# KiCad board Scopetrex.kicad_pcb
title: SCOPETREX; note: Copyright (C) 2020 Eric Schlaepfer; note: License. See https://creativecommons.org/licenses/by-sa/4.0/; note: This work is licensed under a Creative Commons Attribution-ShareAlike 4.0 International
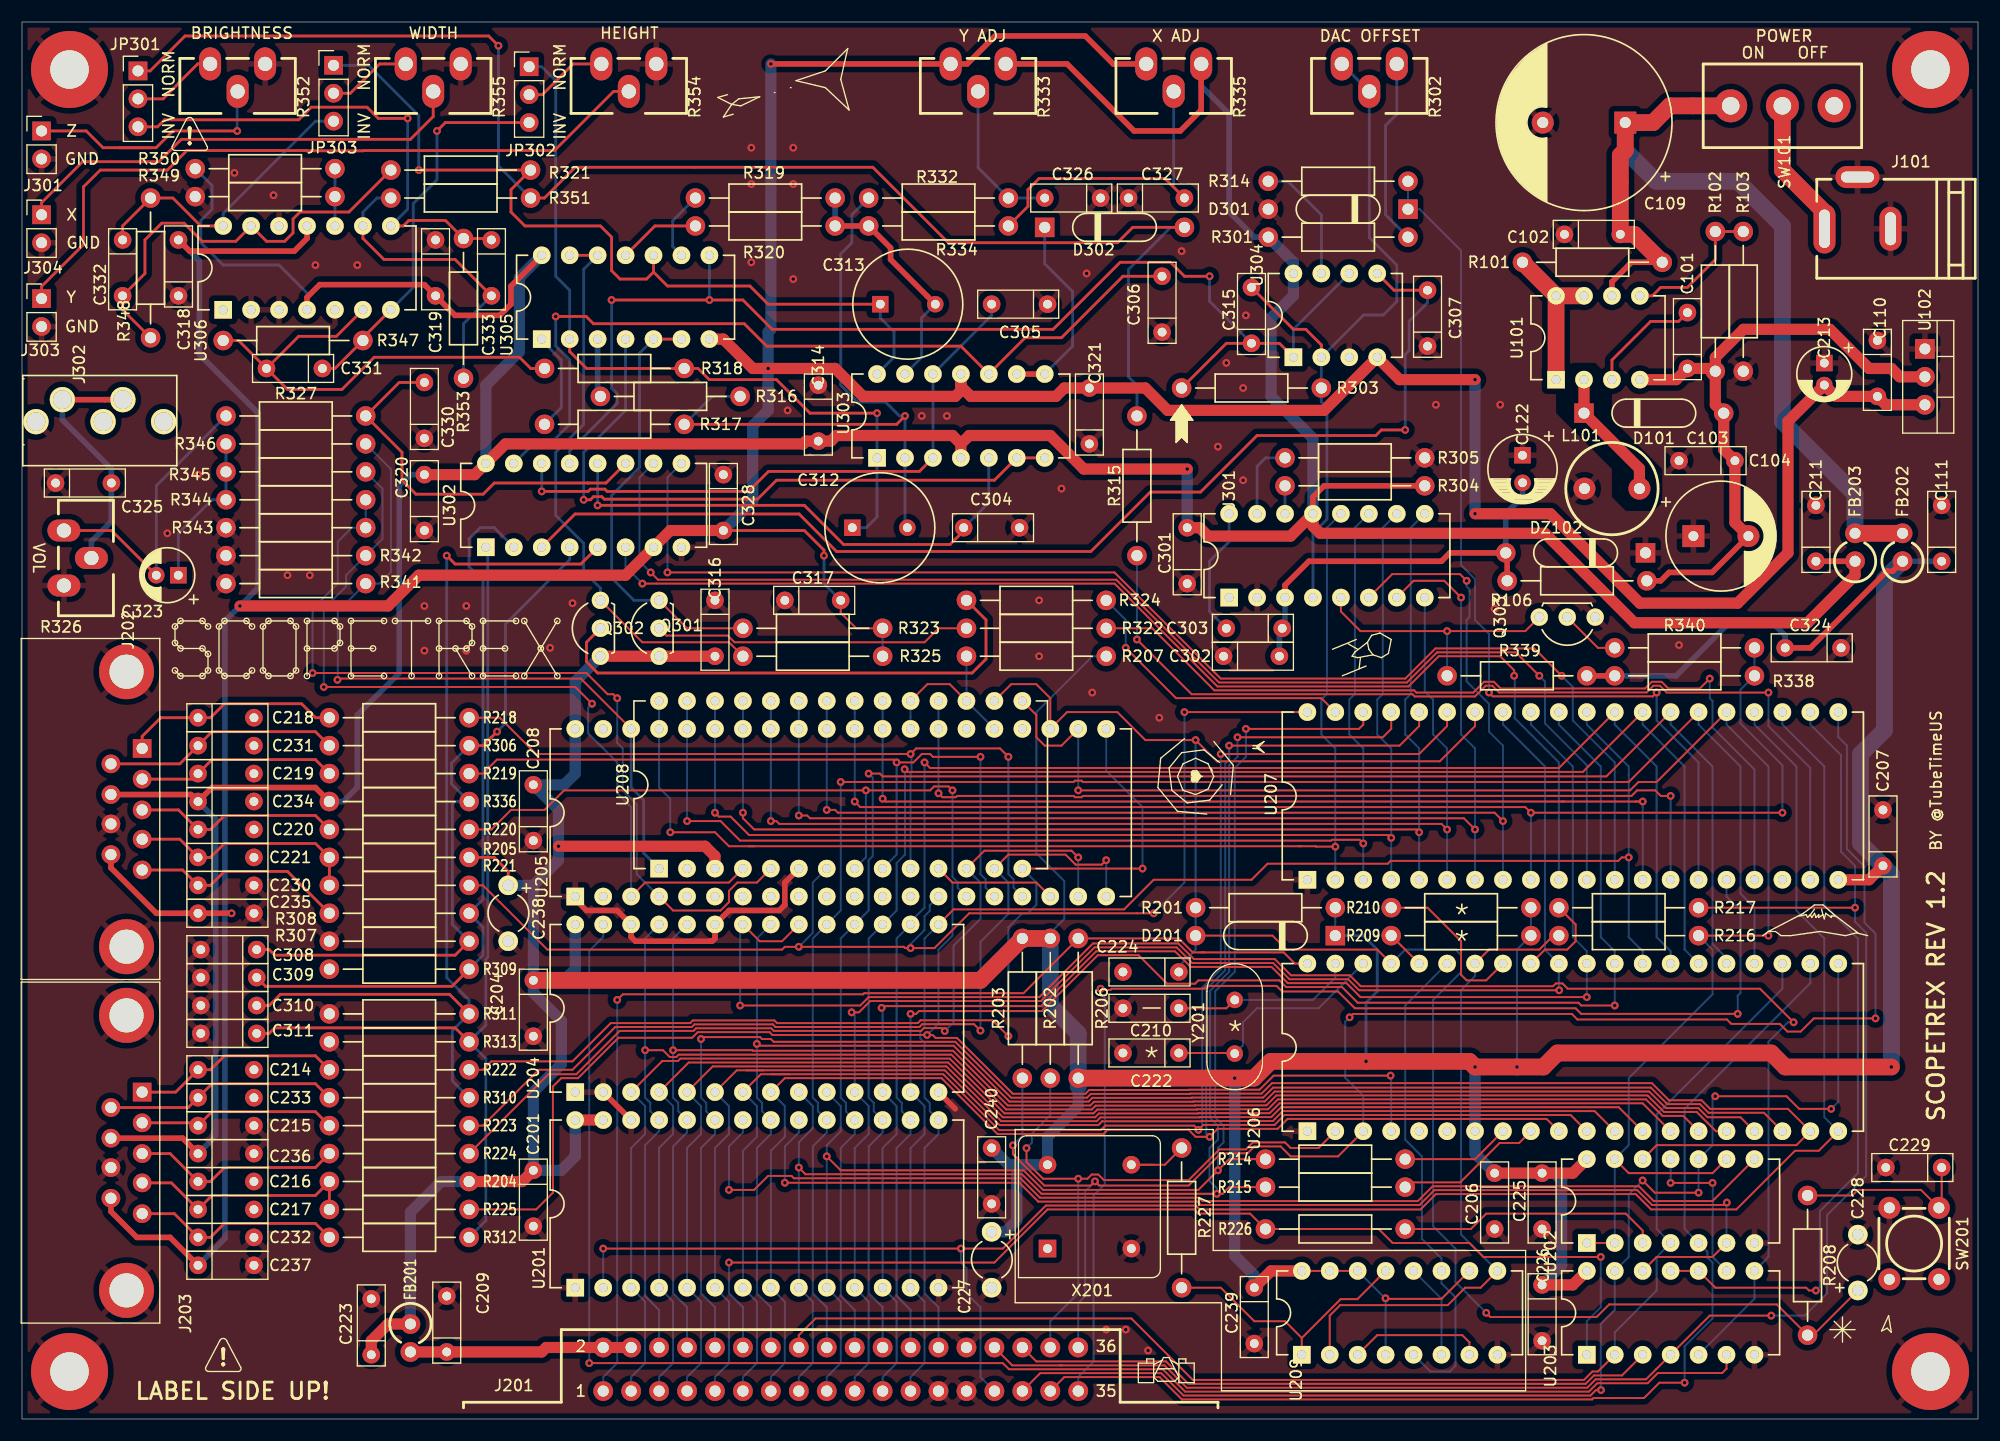
[diagram p0: board, top side]
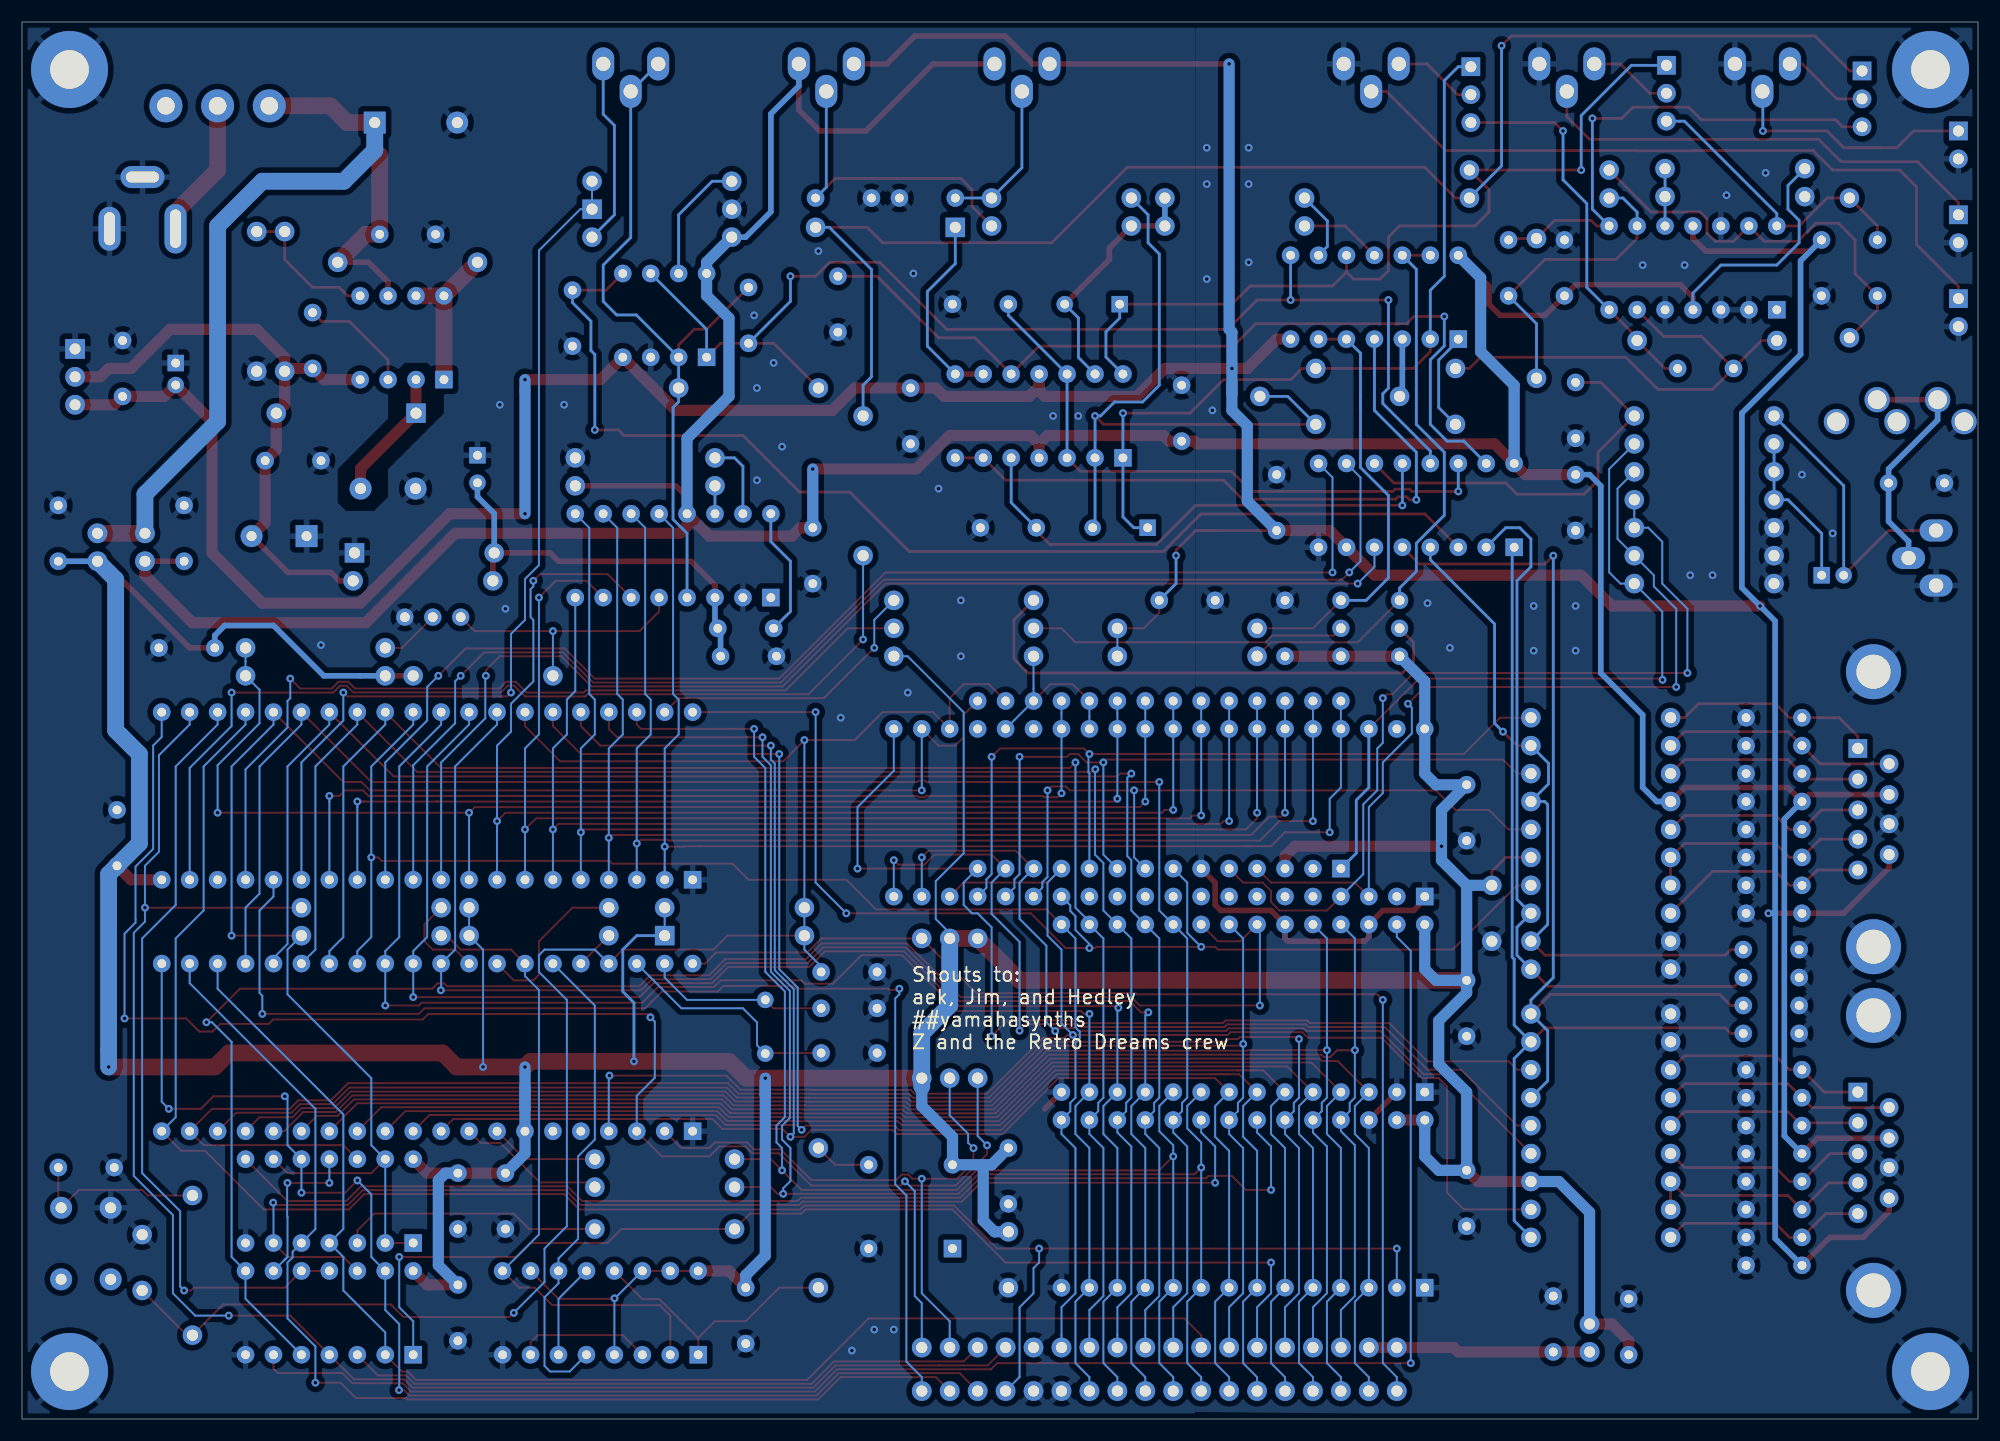
[diagram p1: board, bottom side, seen from below]

Outline 177.8 x 127 mm; copper layers: Top, Bottom. Coordinates in mm from the lower left corner of the outline.
Outline path: 0,127 0,0 177.8,0 177.8,127 0,127

## Placement (name value [footprint] x y rotation side)
C101  1000pF  [C_Disc_D0.2in_W0.1in_P0.2in]  151.38 95.5 90 top
C102  0.1uF  [C_Disc_D0.2in_W0.1in_P0.2in]  140.21 107.7 0 top
C103  0.1uF  [C_Disc_D0.2in_W0.1in_P0.2in]  155.7 87.12 180 top
C104  470uF  [CAPAE500P1000X1500]  154.43 80.26 0 top
C109  4700uF  [CAPAE750P1600X2500]  141.99 117.86 180 top
C110  0.1uF  [C_Disc_D0.2in_W0.1in_P0.2in]  168.66 98.04 270 top
C111  0.1uF  [C_Disc_D0.2in_W0.1in_P0.2in]  174.5 77.98 90 top
C122  220uF  [CAPAE250P630X1100]  136.4 86.36 270 top
C201  0.1uF  [C_Disc_D0.2in_W0.1in_P0.2in]  46.48 22.61 270 top
C204  0.1uF  [C_Disc_D0.2in_W0.1in_P0.2in]  46.48 39.88 270 top
C206  0.1uF  [C_Disc_D0.2in_W0.1in_P0.2in]  133.86 22.35 270 top
C207  0.1uF  [C_Disc_D0.2in_W0.1in_P0.2in]  169.16 50.29 90 top
C208  0.1uF  [C_Disc_D0.2in_W0.1in_P0.2in]  46.48 52.58 90 top
C209  0.1uF  [C_Disc_D0.2in_W0.1in_P0.2in]  38.61 6.1 90 top
C210  20pF  [C_Disc_D0.2in_W0.1in_P0.2in]  105.16 37.34 180 top
C211  0.1uF  [C_Disc_D0.2in_W0.1in_P0.2in]  163.07 77.98 90 top
C213  100uF  [CAPAE200P500X1100]  163.83 95 270 top
C214  1000pF  [C_Disc_D0.2in_W0.1in_P0.2in]  16 31.75 0 top
C215  1000pF  [C_Disc_D0.2in_W0.1in_P0.2in]  16 26.67 0 top
C216  1000pF  [C_Disc_D0.2in_W0.1in_P0.2in]  16 21.59 0 top
C217  1000pF  [C_Disc_D0.2in_W0.1in_P0.2in]  16 19.05 0 top
C218  1000pF  [C_Disc_D0.2in_W0.1in_P0.2in]  16 63.75 0 top
C219  1000pF  [C_Disc_D0.2in_W0.1in_P0.2in]  16 58.67 0 top
C220  1000pF  [C_Disc_D0.2in_W0.1in_P0.2in]  16 53.59 0 top
C221  1000pF  [C_Disc_D0.2in_W0.1in_P0.2in]  16 51.05 0 top
C222  20pF  [C_Disc_D0.2in_W0.1in_P0.2in]  105.16 33.27 180 top
C223  0.1uF  [C_Disc_D0.2in_W0.1in_P0.2in]  31.75 5.84 90 top
C224  0.1uF  [C_Disc_D0.2in_W0.1in_P0.2in]  105.16 40.64 180 top
C225  0.1uF  [C_Disc_D0.2in_W0.1in_P0.2in]  138.18 22.35 270 top
C226  0.1uF  [C_Disc_D0.2in_W0.1in_P0.2in]  138.18 12.19 270 top
C227  22uF  [CAPAP200]  88.14 17.02 270 top
C228  22uF  [CAPAP200]  166.88 11.68 90 top
C229  0.01uF  [C_Disc_D0.2in_W0.1in_P0.2in]  174.5 22.86 180 top
C230  1000pF  [C_Disc_D0.2in_W0.1in_P0.2in]  16 48.51 0 top
C231  1000pF  [C_Disc_D0.2in_W0.1in_P0.2in]  16 61.21 0 top
C232  1000pF  [C_Disc_D0.2in_W0.1in_P0.2in]  16 16.51 0 top
C233  1000pF  [C_Disc_D0.2in_W0.1in_P0.2in]  16 29.21 0 top
C234  0.1uF  [C_Disc_D0.2in_W0.1in_P0.2in]  16 56.13 0 top
C235  0.1uF  [C_Disc_D0.2in_W0.1in_P0.2in]  16 45.97 0 top
C236  0.1uF  [C_Disc_D0.2in_W0.1in_P0.2in]  16 24.13 0 top
C237  0.1uF  [C_Disc_D0.2in_W0.1in_P0.2in]  16 13.97 0 top
C238  22uF  [CAPAP200]  44.2 48.51 270 top
C239  0.1uF  [C_Disc_D0.2in_W0.1in_P0.2in]  112.01 11.94 270 top
C240  0.1uF  [C_Disc_D0.2in_W0.1in_P0.2in]  88.14 24.64 270 top
C301  0.1uF  [C_Disc_D0.2in_W0.1in_P0.2in]  105.92 75.95 90 top
C302  0.1uF  [C_Disc_D0.2in_W0.1in_P0.2in]  109.22 69.34 0 top
C303  47pF  [C_Disc_D0.2in_W0.1in_P0.2in]  114.55 71.88 180 top
C304  4700pF  [C_Disc_D0.2in_W0.1in_P0.2in]  85.6 81.03 0 top
C305  4700pF  [C_Disc_D0.2in_W0.1in_P0.2in]  93.22 101.35 180 top
C306  4700pF  [C_Disc_D0.2in_W0.1in_P0.2in]  103.63 98.81 90 top
C307  1000pF  [C_Disc_D0.2in_W0.1in_P0.2in]  127.76 97.54 90 top
C308  1000pF  [C_Disc_D0.2in_W0.1in_P0.2in]  21.34 42.67 180 top
C309  1000pF  [C_Disc_D0.2in_W0.1in_P0.2in]  21.34 40.13 180 top
C310  1000pF  [C_Disc_D0.2in_W0.1in_P0.2in]  21.34 37.59 180 top
C311  1000pF  [C_Disc_D0.2in_W0.1in_P0.2in]  21.34 35.05 180 top
C312  0.01uF  [CAPF500P1000X1200]  77.98 81.03 0 top
C313  0.01uF  [CAPF500P1000X1200]  80.52 101.35 0 top
C314  0.1uF  [C_Disc_D0.2in_W0.1in_P0.2in]  72.39 93.98 270 top
C315  47pF  [C_Disc_D0.2in_W0.1in_P0.2in]  111.76 97.79 90 top
C316  0.1uF  [C_Disc_D0.2in_W0.1in_P0.2in]  62.99 74.42 270 top
C317  0.1uF  [C_Disc_D0.2in_W0.1in_P0.2in]  69.34 74.42 0 top
C318  0.1uF  [C_Disc_D0.2in_W0.1in_P0.2in]  14.22 102.11 90 top
C319  0.1uF  [C_Disc_D0.2in_W0.1in_P0.2in]  37.59 107.19 270 top
C320  0.1uF  [C_Disc_D0.2in_W0.1in_P0.2in]  36.58 80.77 90 top
C321  0.1uF  [C_Disc_D0.2in_W0.1in_P0.2in]  97.03 88.65 90 top
C323  4.7uF 16V  [CAPAE200P500X1100]  13.21 76.71 180 top
C324  0.1uF  [C_Disc_D0.2in_W0.1in_P0.2in]  165.35 70.1 180 top
C325  220pF  [C_Disc_D0.2in_W0.1in_P0.2in]  3.05 85.09 0 top
C326  0.1uF  [C_Disc_D0.2in_W0.1in_P0.2in]  98.04 111 180 top
C327  0.1uF  [C_Disc_D0.2in_W0.1in_P0.2in]  100.58 111 0 top
C328  0.1uF  [C_Disc_D0.2in_W0.1in_P0.2in]  63.75 85.85 270 top
C330  1000pF  [C_Disc_D0.2in_W0.1in_P0.2in]  36.58 89.15 90 top
C331  47pF  [C_Disc_D0.2in_W0.1in_P0.2in]  27.31 95.5 180 top
C332  47pF  [C_Disc_D0.2in_W0.1in_P0.2in]  9.14 107.19 270 top
C333  DNI  [C_Disc_D0.2in_W0.1in_P0.2in]  42.67 107.19 270 top
D101  1N5819  [DIOA500]  148.34 91.44 0 top
D201  1N4148  [DIOA500]  113.03 43.94 180 top
D301  1N4148  [DIOA500]  119.63 109.98 180 top
D302  1N4148  [DIOA500]  99.31 108.33 0 top
DZ102  13V 400mW  [DIOA500]  141.22 78.74 180 top
FB201  96Ω @ 25MHz  [FB254]  35.31 8.64 270 top
FB202  96Ω @ 25MHz  [FB254]  170.94 77.98 90 top
FB203  96Ω @ 25MHz  [FB254]  166.62 77.98 90 top
J101  5V INPUT  [CUI_PJ-002B]  177.55 108.2 0 top
J201  CART  [SULLINS_EBC18DRAS]  52.83 2.54 0 top
J202  LEFT JOYSTICK  [DB9MC]  10.92 60.96 90 top
J203  RIGHT JOYSTICK  [DB9MC]  10.92 29.72 90 top
J301  Z  [Pin_Header_Straight_1x02_Pitch2.54mm]  1.78 117.09 0 top
J302  SJ1-353XN  [CUI_SJ1-353XN]  1.27 91.57 90 top
J303  X  [Pin_Header_Straight_1x02_Pitch2.54mm]  1.78 101.85 0 top
J304  Y  [Pin_Header_Straight_1x02_Pitch2.54mm]  1.78 109.47 0 top
JP301  Z POL  [Pin_Header_Straight_1x03_Pitch2.54mm]  10.54 122.55 0 top
JP302  Y POL  [Pin_Header_Straight_1x03_Pitch2.54mm]  46.1 122.94 0 top
JP303  X POL  [Pin_Header_Straight_1x03_Pitch2.54mm]  28.32 123.06 0 top
L101  220uH  [INDA500P780X750]  144.53 84.58 180 top
MNT1  MountingHole_Pad  [MountingHole_3.5mm_Pad]  4.32 122.68 0 top
MNT2  MountingHole_Pad  [MountingHole_3.5mm_Pad]  4.32 4.32 0 top
MNT3  MountingHole_Pad  [MountingHole_3.5mm_Pad]  173.48 122.68 0 top
MNT4  MountingHole_Pad  [MountingHole_3.5mm_Pad]  173.48 4.32 0 top
Q301  2N3906  [TO92-IL]  57.91 69.34 0 top
Q302  2N3906  [TO92-IL]  52.58 69.34 0 top
Q303  2N3904  [TO92-IL]  143 72.9 90 top
R101  0.5  [RESA500]  142.75 105.16 180 top
R102  2.2K  [RESA500]  153.92 101.6 90 top
R103  22K  [RESA500]  156.46 101.6 270 top
R106  100  [RESA500]  141.35 76.2 180 top
R201  22K  [RESA500]  113.03 46.48 0 top
R202  3.3K  [RESA500]  93.47 37.34 270 top
R203  3.3K  [RESA500]  90.93 37.34 270 top
R204  3.3K  [RESA500]  34.29 21.59 0 top
R205  3.3K  [RESA500]  34.29 51.05 0 top
R206  3.3K  [RESA500]  96.01 37.34 90 top
R207  3.3K  [RESA500]  92.2 69.34 180 top
R208  100  [RESA500]  162.31 13.97 270 top
R209  3.3K  [RESA500]  130.81 43.94 0 top
R210  3.3K  [RESA500]  130.81 46.48 180 top
R214  33  [RESA500]  119.38 23.62 180 top
R215  33  [RESA500]  119.38 21.08 180 top
R216  33  [RESA500]  146.05 43.94 0 top
R217  33  [RESA500]  146.05 46.48 0 top
R218  680  [RESA500]  34.29 63.75 180 top
R219  680  [RESA500]  34.29 58.67 180 top
R220  680  [RESA500]  34.29 53.59 180 top
R221  680  [RESA500]  34.29 48.51 180 top
R222  680  [RESA500]  34.29 31.75 180 top
R223  680  [RESA500]  34.29 26.67 180 top
R224  680  [RESA500]  34.29 24.13 180 top
R225  680  [RESA500]  34.29 19.05 180 top
R226  33  [RESA500]  119.38 17.27 0 top
R227  33  [RESA500]  105.41 18.29 270 top
R301  2.49K 1%  [RESA500]  119.63 107.44 0 top
R302  5K  [PIHER_PT10_H01]  124.97 123.19 270 top
R303  2.61K 1%  [RESA500]  111.76 93.73 180 top
R304  2.49K 1%  [RESA500]  121.16 84.84 180 top
R305  2.49K 1%  [RESA500]  121.16 87.38 0 top
R306  680  [RESA500]  34.29 61.21 180 top
R307  330K  [RESA500]  34.29 43.43 0 top
R308  680  [RESA500]  34.29 45.97 180 top
R309  330K  [RESA500]  34.29 40.89 0 top
R310  680  [RESA500]  34.29 29.21 180 top
R311  330K  [RESA500]  34.29 36.83 0 top
R312  680  [RESA500]  34.29 16.51 180 top
R313  330K  [RESA500]  34.29 34.29 0 top
R314  2.2K  [RESA500]  119.63 112.52 0 top
R315  2.2K  [RESA500]  101.35 84.84 90 top
R316  10K 1%  [RESA500]  58.93 92.96 0 top
R317  220  [RESA500]  53.85 90.42 180 top
R318  4.7K  [RESA500]  53.85 95.5 180 top
R319  10K 1%  [RESA500]  67.56 111 0 top
R320  220  [RESA500]  67.56 108.46 180 top
R321  4.7K  [RESA500]  39.88 113.54 0 top
R322  3.3K  [RESA500]  92.2 71.88 180 top
R323  15K  [RESA500]  71.88 71.88 180 top
R324  3.3K  [RESA500]  92.2 74.42 180 top
R325  15K  [RESA500]  71.88 69.34 180 top
R326  10K  [PIHER_PT10_H01]  3.81 80.77 0 top
R327  33K  [RESA500]  24.89 91.19 180 top
R332  3.3M  [RESA500]  83.31 111 180 top
R333  10K  [PIHER_PT10_H01]  89.41 123.19 270 top
R334  3.3M  [RESA500]  83.31 108.46 0 top
R335  10K  [PIHER_PT10_H01]  107.19 123.19 270 top
R336  1M  [RESA500]  34.29 56.13 180 top
R338  4.7K  [RESA500]  151.13 67.56 0 top
R339  4.7K  [RESA500]  135.89 67.56 180 top
R340  10K  [RESA500]  151.13 70.1 0 top
R341  1K  [RESA500]  24.89 75.95 0 top
R342  1K  [RESA500]  24.89 78.49 0 top
R343  1K  [RESA500]  24.89 81.03 0 top
R344  33K  [RESA500]  24.89 83.57 180 top
R345  33K  [RESA500]  24.89 86.11 180 top
R346  33K  [RESA500]  24.89 88.65 180 top
R347  4.7K  [RESA500]  24.64 98.04 0 top
R348  4.7K  [RESA500]  11.68 104.65 270 top
R349  4.7K  [RESA500]  22.1 111.12 180 top
R350  4.7K  [RESA500]  22.1 113.66 0 top
R351  4.7K  [RESA500]  39.88 111 0 top
R352  10K  [PIHER_PT10_H01]  22.1 123.19 270 top
R353  4.7K  [RESA500]  40.13 100.97 270 top
R354  10K  [PIHER_PT10_H01]  57.66 123.19 270 top
R355  10K  [PIHER_PT10_H01]  39.88 123.19 270 top
SW101  POWER  [NKK_CS12ANW03]  160.02 119.38 90 top
SW201  SW_TACT  [ESWITCH_TL1105]  174.24 12.7 90 top
U101  MC34063EBN  [DIP254P762X635-8]  139.45 94.49 90 top
U102  LM7905_TO220  [TO-220-3_Vertical]  172.97 97.28 270 top
U201  AT28C64B  [DIP254P1524X635-28]  50.29 11.94 90 top
U202  74LS00  [DIP254P762X635-14]  142.24 16 90 top
U203  74LS32  [DIP254P762X635-14]  142.24 5.84 90 top
U204  AS6C62256  [DIP254P1524X635-28]  50.29 29.72 90 top
U205  AY3-8910  [DIP254P1524X635-40]  50.29 47.5 90 top
U206  MC68A09  [DIP254P1524X635-40]  116.84 26.16 90 top
U207  W65C22S6TPG  [DIP254P1524X635-40]  116.84 49.02 90 top
U208  AY3-8912  [DIP254P1524X635-28]  57.91 50.04 90 top
U209  74LS112  [DIP254P762X635-16]  116.33 5.84 90 top
U301  MC1408_DIP  [DIP254P762X635-16]  109.73 74.68 90 top
U302  CD4052B  [DIP254P762X635-16]  42.16 79.25 90 top
U303  LF347  [DIP254P762X635-14]  77.72 87.38 90 top
U304  LF353  [DIP254P762X635-8]  115.57 96.52 90 top
U305  4066  [DIP254P762X635-14]  47.24 98.17 90 top
U306  LM6134  [DIP254P762X635-14]  18.29 100.84 90 top
X201  6MHz  [Oscillator_DIP-8]  93.22 15.49 0 top
Y201  6MHz  [Crystal_HC49-4H_Vertical]  110.24 38.1 270 top

## Library data of the parts
C101 C214-C221 C230-C233 C307-C311 C330 = -: Mouser: 581-SR211A102JAR
C102 C103 C110 C111 C201 C204 C206-C209 C211 C223-C226 C234-C237 C239 C240 C301 C302 C314 C316-C321 C324 C326-C328 = -: Mouser: 581-SR215C104K
C104 = -: Mouser: 80-ESL477M025AH9AA
C109 = -: Mouser: 667-EEU-FS1C472S
C122 = -: Mouser: 647-UVY1E221MED1TD
C210 C222 = -: Mouser: 581-SR215A220KARTR1
C213 = -: Mouser: 647-UVY1E101MDD1TD
C227 C228 C238 = -: Mouser: 647-UPW1A220MDD6TP
C229 = -: Mouser: 581-SR211C103KARTR1
C303 C315 C331 C332 = -: Mouser: 581-SR211A470JAR
C304-C306 = -: Mouser: 810-FG28C0G2A472JRT6
C312 C313 = -: Mouser: 810-FG28C0G2A103JRT6
C323 = -: Mouser: 647-UKT1E4R7MDD1TD
C325 = -: Mouser: 581-SR211A221JAATR
D101 = -: Mouser: 511-1N5819
D201 D301 D302 = -: Mouser: 512-1N4148
DZ102 = -: Mouser: 512-1N4743ATR
FB201-FB203 = -: Mouser: 623-2743007112
J101 = -: Mouser: 490-PJ-002B
J201 = -: Digikey: A139219-ND; Mouser: 587-395-036
J202 J203 = -: Mouser: 806-K22X-E9P-N
J302 = -: Mouser: 490-SJ1-3533NG
L101 = -: Mouser: 851-RCR875DNP-221K
Q301 Q302 = -: Mouser: 512-2N3906TA
Q303 = -: Mouser: 512-2N3904TA
R101 = -: Mouser: 660-CF1/4CR50J
R102 R314 R315 = -: Mouser: 603-CFR-25JR-522K2
R103 R201 = -: Mouser: 603-CFR-25JR-5222K
R106 R208 = -: Mouser: 603-CFR-25JR-52100R
R202-R207 R209 R210 R322 R324 = -: Mouser: 603-CFR-25JR-523K3
R214-R217 R226 R227 = -: Mouser: 603-CFR-25JR-5233R
R218-R225 R306 R308 R310 R312 = -: Mouser: 603-CFR-25JR-52-680R
R301 R304 R305 = -: Mouser: 603-MFR-25FRF522K49
R302 = -: Mouser: 531-PT10H-5K-S
R303 = -: Mouser: 603-MFR-25FRF52-2K61
R307 R309 R311 R313 = -: Mouser: 603-CFR-25JR-52-330K
R316 R319 = -: Mouser: 603-MFR-25FRF5210K
R317 R320 = -: Mouser: 603-CFR-25JR-52220R
R318 R321 R338 R339 R347-R351 R353 = -: Mouser: 603-CFR-25JR-524K7
R323 R325 = -: Mouser: 603-CFR-25JR-5215K
R326 R333 R335 R352 R354 R355 = -: Mouser: 531-PT10H-10K-S
R327 R344-R346 = -: Mouser: 603-CFR-25JR-52-33K
R332 R334 = -: Mouser: 603-MFR-25FTE52-3M3
R336 = -: Mouser: 603-CFR-25JR-521M
R340 = -: Mouser: 603-CFR-25JR-5210K
R341-R343 = -: Mouser: 603-CFR-25JR-521K
SW101 = -: Mouser: 633-CS12ANW03
SW201 = -: Mouser: 612-TL1105B
U101 = -: Mouser: 511-MC34063EBN
U102 = -: Mouser: 926-LM7905CT/NOPB
U201 = -: Mouser: 556-AT28C64B15PU
U202 = -: Mouser: 595-SN74LS00N
U203 = -: Mouser: 595-SN74LS32N
U204 = -: Mouser: 913-AS6C62256-55PCN
U207 = -: Mouser: 955-W65C22S6TPG-14
U209 = -: Mouser: 595-SN74LS112AN
U301 = -: Mouser: 926-DAC0808LCN/NOPB
U302 = -: Mouser: 595-CD4052BE
U303 = -: Mouser: 595-LF347N
U304 = -: Mouser: 595-LF353P
U305 = -: Mouser: 595-CD4066BE
U306 = -: Mouser: 926-LM6134BIN/NOPB
X201 = -: Mouser: 774-MXO45HS-3C-6.0
Y201 = -: Mouser: 815-AB-6-B2

## Footprints (pads in the part's own frame, mm; a bottom-side part is the same pattern mirrored in y, then rotated)
C_Disc_D0.2in_W0.1in_P0.2in
  round 1.6 hole 0.8: 1(0,0) 2(5.08,0)
CAPAE200P500X1100
  rect 1.5x1.5 hole 0.8: 1(-1,0)
  round 1.5 hole 0.8: 2(1,0)
CAPAE250P630X1100
  rect 1.5x1.5 hole 0.8: 1(-1.25,0)
  round 1.5 hole 0.8: 2(1.25,0)
CAPAE500P1000X1500
  rect 2x2 hole 0.9: 1(-2.5,0)
  round 2 hole 0.9: 2(2.5,0)
CAPAE750P1600X2500
  rect 2x2 hole 1: 1(-3.75,0)
  round 2 hole 1: 2(3.75,0)
CAPAP200
  round 1.778 hole 1.016: 1(0,0) 2(5.08,0)
CAPF500P1000X1200
  rect 1.5x1.5 hole 0.8: 1(-2.5,0)
  round 1.5 hole 0.8: 2(2.5,0)
Crystal_HC49-4H_Vertical
  round 1.5 hole 0.8: 1(0,0) 2(4.88,0)
CUI_PJ-002B
  oval 2x4.5 hole 1x3.5: 1(-13.7,0)
  oval 2x4 hole 1x3: 2(-7.7,0)
  oval 4x2 hole 3x1: 3(-10.7,4.7)
CUI_SJ1-353XN
  round 2.3 hole 1.7: 1(-0.9,0) 2(1.1,-2.4) 3(1.1,-7.9) 4(-0.9,-11.6) 5(-0.9,-6.1)
DB9MC
  rect 1.7x1.7 hole 1.02: 1(0,0)
  round 1.7 hole 1.02: 2(-2.79,0) 3(-5.59,0) 4(-8.25,0) 5(-11.05,0) 6(-1.4,2.84) 7(-4.19,2.84) 8(-6.86,2.84) 9(-9.65,2.84)
  round 5 hole 3.1: MP(-18.025,1.42) MP(6.975,1.42)
DIOA500
  rect 1.778x1.778 hole 1.016: 1(-6.35,0)
  round 1.778 hole 1.016: 2(6.35,0)
DIP254P762X635-8
  rect 1.6x1.6 hole 0.8: 1(0,0)
  oval 1.6x1.6 hole 0.8: 2(0,-2.54) 3(0,-5.08) 4(0,-7.62) 5(7.62,-7.62) 6(7.62,-5.08) 7(7.62,-2.54) 8(7.62,0)
DIP254P762X635-14
  rect 1.6x1.6 hole 0.8: 1(0,0)
  oval 1.6x1.6 hole 0.8: 2(0,-2.54) 3(0,-5.08) 4(0,-7.62) 5(0,-10.16) 6(0,-12.7) 7(0,-15.24) 8(7.62,-15.24) 9(7.62,-12.7) 10(7.62,-10.16) 11(7.62,-7.62) 12(7.62,-5.08) 13(7.62,-2.54) 14(7.62,0)
DIP254P762X635-16
  rect 1.6x1.6 hole 0.8: 1(0,0)
  oval 1.6x1.6 hole 0.8: 2(0,-2.54) 3(0,-5.08) 4(0,-7.62) 5(0,-10.16) 6(0,-12.7) 7(0,-15.24) 8(0,-17.78) 9(7.62,-17.78) 10(7.62,-15.24) 11(7.62,-12.7) 12(7.62,-10.16) 13(7.62,-7.62) 14(7.62,-5.08) 15(7.62,-2.54) 16(7.62,0)
DIP254P1524X635-28
  rect 1.6x1.6 hole 0.8: 1(0,0)
  oval 1.6x1.6 hole 0.8: 2(0,-2.54) 3(0,-5.08) 4(0,-7.62) 5(0,-10.16) 6(0,-12.7) 7(0,-15.24) 8(0,-17.78) 9(0,-20.32) 10(0,-22.86) 11(0,-25.4) 12(0,-27.94) 13(0,-30.48) 14(0,-33.02) 15(15.24,-33.02) 16(15.24,-30.48) 17(15.24,-27.94) 18(15.24,-25.4) 19(15.24,-22.86) 20(15.24,-20.32) 21(15.24,-17.78) 22(15.24,-15.24) 23(15.24,-12.7) 24(15.24,-10.16) 25(15.24,-7.62) 26(15.24,-5.08) 27(15.24,-2.54) 28(15.24,0)
DIP254P1524X635-40
  rect 1.6x1.6 hole 0.8: 1(0,0)
  oval 1.6x1.6 hole 0.8: 2(0,-2.54) 3(0,-5.08) 4(0,-7.62) 5(0,-10.16) 6(0,-12.7) 7(0,-15.24) 8(0,-17.78) 9(0,-20.32) 10(0,-22.86) 11(0,-25.4) 12(0,-27.94) 13(0,-30.48) 14(0,-33.02) 15(0,-35.56) 16(0,-38.1) 17(0,-40.64) 18(0,-43.18) 19(0,-45.72) 20(0,-48.26) 21(15.24,-48.26) 22(15.24,-45.72) 23(15.24,-43.18) 24(15.24,-40.64) 25(15.24,-38.1) 26(15.24,-35.56) 27(15.24,-33.02) 28(15.24,-30.48) 29(15.24,-27.94) 30(15.24,-25.4) 31(15.24,-22.86) 32(15.24,-20.32) 33(15.24,-17.78) 34(15.24,-15.24) 35(15.24,-12.7) 36(15.24,-10.16) 37(15.24,-7.62) 38(15.24,-5.08) 39(15.24,-2.54) 40(15.24,0)
ESWITCH_TL1105
  oval 2x2 hole 1: 1(0,0) 2(6.5,0) 3(0,4.5) 4(6.5,4.5)
FB254
  round 1.8 hole 1: 1(0,0) 2(2.54,0)
INDA500P780X750
  round 2 hole 1: 1(-2.5,0) 2(2.5,0)
MountingHole_3.5mm_Pad
  round 7 hole 3.5: 1(0,0)
NKK_CS12ANW03
  round 3 hole 1.6: 1(0,4.7) 2(0,0) 3(0,-4.7)
Oscillator_DIP-8
  rect 1.6x1.6 hole 0.8: 1(0,0)
  round 1.6 hole 0.8: 4(7.62,0) 5(7.62,7.62) 8(0,7.62)
PIHER_PT10_H01
  oval 3x2 hole 1.3: 1(0,0) 2(2.5,-2.5) 3(0,-5)
Pin_Header_Straight_1x02_Pitch2.54mm
  rect 1.7x1.7 hole 1: 1(0,0)
  oval 1.7x1.7 hole 1: 2(0,-2.54)
Pin_Header_Straight_1x03_Pitch2.54mm
  rect 1.7x1.7 hole 1: 1(0,0)
  oval 1.7x1.7 hole 1: 2(0,-2.54) 3(0,-5.08)
RESA500
  round 1.778 hole 1.016: 1(6.35,0) 2(-6.35,0)
SULLINS_EBC18DRAS
  round 1.8 hole 1.016: 1(0,0) 2(0,3.96) 3(2.54,0) 4(2.54,3.96) 5(5.08,0) 6(5.08,3.96) 7(7.62,0) 8(7.62,3.96) 9(10.16,0) 10(10.16,3.96) 11(12.7,0) 12(12.7,3.96) 13(15.24,0) 14(15.24,3.96) 15(17.78,0) 16(17.78,3.96) 17(20.32,0) 18(20.32,3.96) 19(22.86,0) 20(22.86,3.96) 21(25.4,0) 22(25.4,3.96) 23(27.94,0) 24(27.94,3.96) 25(30.48,0) 26(30.48,3.96) 27(33.02,0) 28(33.02,3.96) 29(35.56,0) 30(35.56,3.96) 31(38.1,0) 32(38.1,3.96) 33(40.64,0) 34(40.64,3.96) 35(43.18,0) 36(43.18,3.96)
TO92-IL
  round 1.575 hole 0.889: 1(0,0) 2(0,2.54) 3(0,5.08)
TO-220-3_Vertical
  rect 1.8x1.8 hole 1: 1(0,0)
  oval 1.8x1.8 hole 1: 2(2.54,0) 3(5.08,0)
